# KiCad board CPU2908C3bak.kicad_pcb
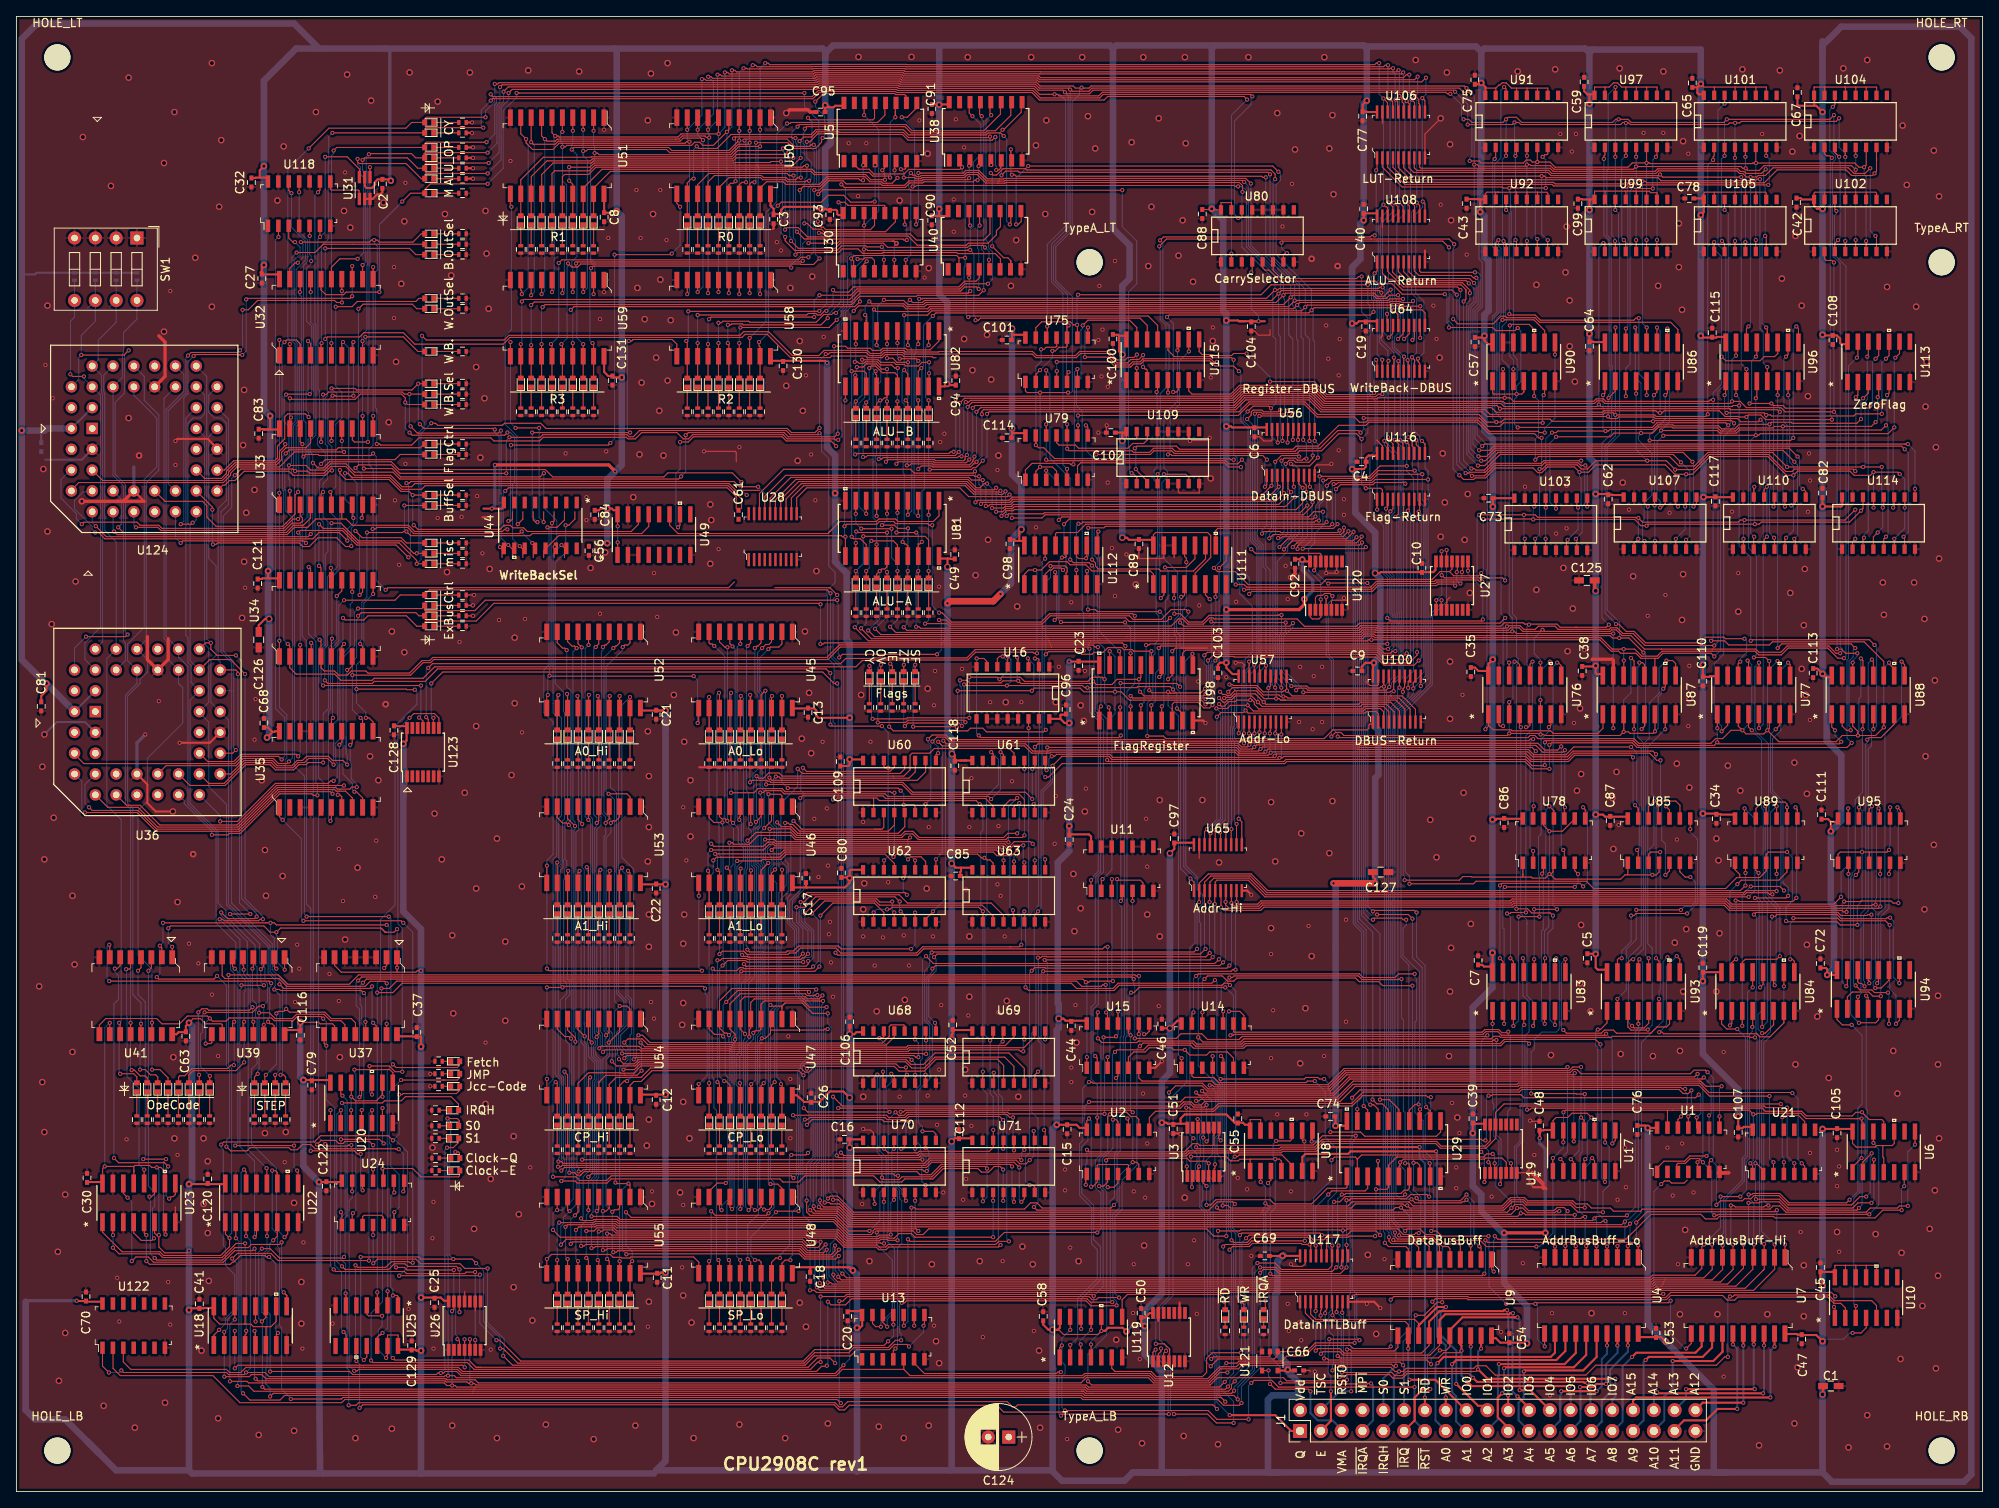
[diagram p0: board, top side]
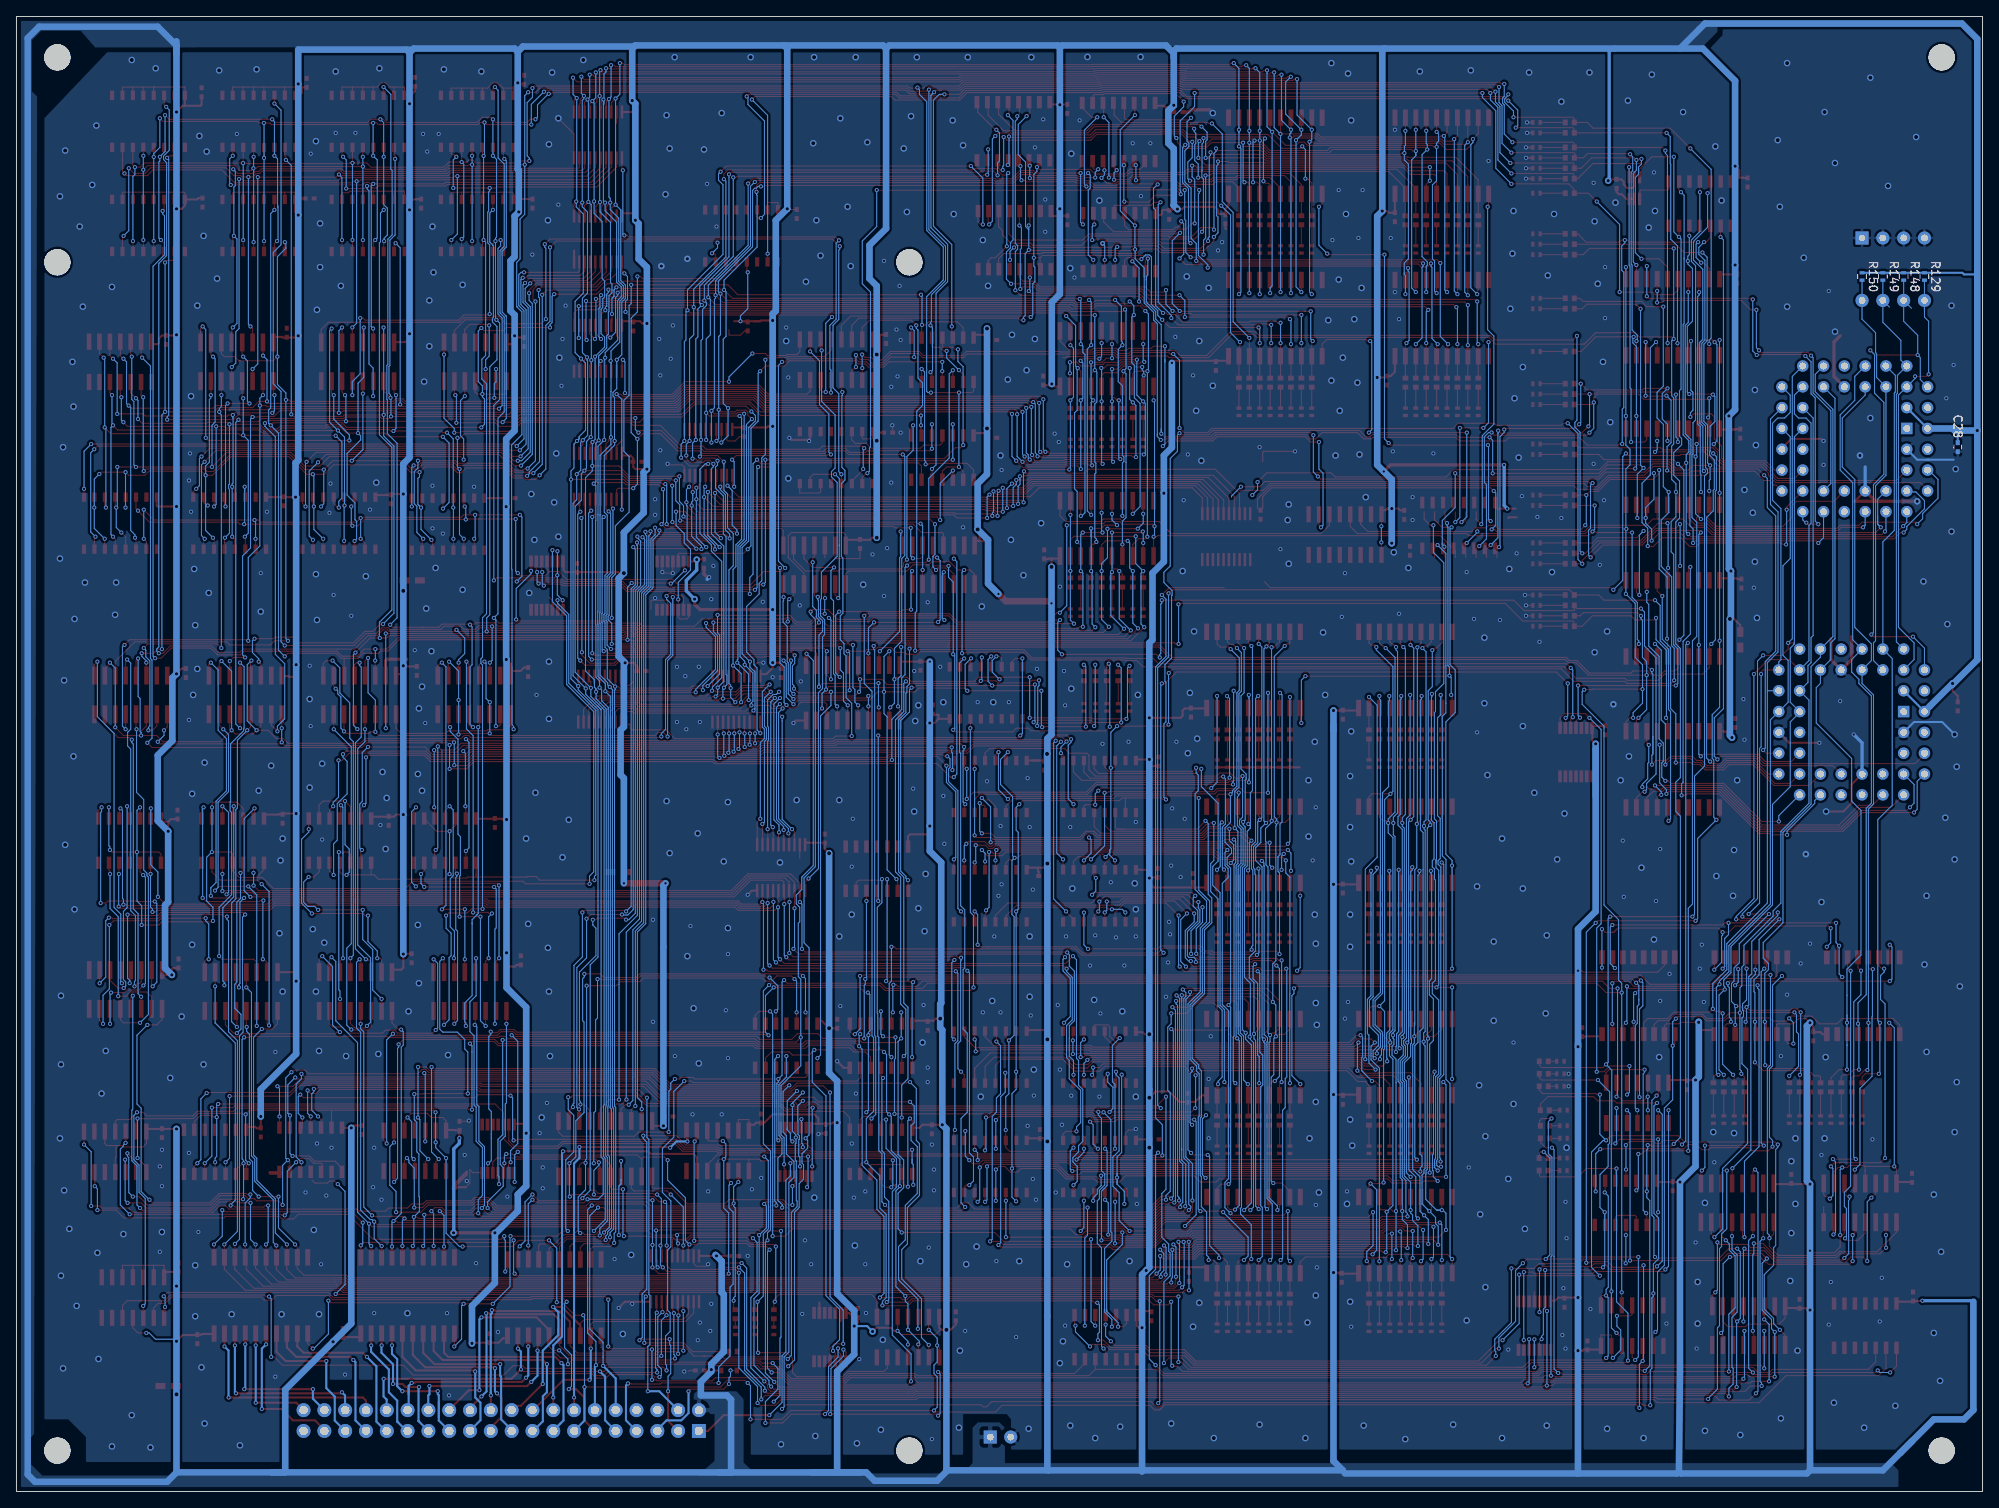
[diagram p1: board, bottom side, seen from below]

Outline 240 x 180 mm; copper layers: Top, Bottom. Coordinates in mm from the lower left corner of the outline.
Outline path: 0,180 240,180 240,0 0,0 0,180

## Placement (name value [footprint] x y rotation side)
C1  10uF  [C_0603_HandSoldering]  221.47 12.88 0 top
C2  0.1uF  [C_0402]  44.67 159.57 270 top
C3  0.1uF  [C_0402]  92.43 155.25 270 top
C4  0.1uF  [C_0402]  164.2 125.66 180 top
C5  0.1uF  [C_0402]  191.76 65.08 270 top
C6  0.1uF  [C_0402]  151.12 129.26 270 top
C7  0.1uF  [C_0402]  178.42 64.82 90 top
C8  0.1uF  [C_0402]  71.74 155.5 270 top
C9  0.1uF  [C_0402]  163.69 100.13 180 top
C10  0.1uF  [C_0402]  171.56 112.7 90 top
C11  0.1uF  [C_0402]  78.22 26.09 270 top
C12  0.1uF  [C_0402]  78.09 47.81 270 top
C13  0.1uF  [C_0402]  96.63 95.05 270 top
C15  0.1uF  [C_0402]  128.26 44.21 270 top
C16  0.1uF  [C_0402]  101.08 42.98 180 top
C17  0.1uF  [C_0402]  96.38 74.86 90 top
C18  0.1uF  [C_0402]  96.89 26.22 270 top
C19  0.1uF  [C_0402]  164.71 142.17 270 top
C20  0.1uF  [C_0402]  101.46 21.39 270 top
C21  0.1uF  [C_0402]  78.09 94.8 270 top
C22  0.1uF  [C_0402]  78.09 73.59 270 top
C23  0.1uF  [C_0402]  129.65 100.77 270 top
C24  0.1uF  [C_0402]  128.51 79.56 270 top
C25  0.1uF  [C_0402]  51.04 23.04 270 top
C26  0.1uF  [C_0402]  97.01 48.06 90 top
C27  0.1uF  [C_0402]  29.96 148.01 270 top
C28  0.1uF  [C_0402]  3.03 127.44 270 bottom
C30  0.1uF  [C_0402]  8.62 38.28 90 top
C32  0.1uF  [C_0402]  28.69 159.74 270 top
C34  0.1uF  [C_0402]  207.5 82.1 270 top
C35  0.1uF  [C_0402]  177.53 100 270 top
C37  0.1uF  [C_0402]  48.88 56.06 90 top
C38  0.1uF  [C_0402]  191.12 100.13 270 top
C39  0.1uF  [C_0402]  177.79 45.52 90 top
C40  0.1uF  [C_0402]  164.45 156.52 90 top
C41  0.1uF  [C_0402]  22.34 22.91 90 top
C42  0.1uF  [C_0402]  217.28 157.28 270 top
C43  0.1uF  [C_0402]  177.01 157.15 270 top
C44  0.1uF  [C_0402]  128.76 56.82 270 top
C45  0.1uF  [C_0402]  220.2 27.36 90 top
C46  0.1uF  [C_0402]  139.81 57.08 90 top
C47  0.1uF  [C_0402]  217.92 18.6 270 top
C48  0.1uF  [C_0402]  185.91 44.63 90 top
C49  0.1uF  [C_0402]  114.54 114.36 90 top
C50  0.1uF  [C_0402]  137.29 21.79 90 top
C51  0.1uF  [C_0402]  141.21 44.25 270 top
C52  0.1uF  [C_0402]  114.29 56.95 90 top
C53  0.1uF  [C_0402]  200.14 19.36 90 top
C54  0.1uF  [C_0402]  182.23 18.72 90 top
C55  0.1uF  [C_0402]  149.08 45.52 90 top
C56  0.1uF  [C_0402]  69.89 114.79 270 top
C57  0.1uF  [C_0402]  178.04 140.26 270 top
C58  0.1uF  [C_0402]  125.34 21.39 90 top
C59  0.1uF  [C_0402]  191.36 172.01 90 top
C61  0.1uF  [C_0402]  88.14 119.19 90 top
C62  0.1uF  [C_0402]  194.3 121.09 270 top
C63  0.1uF  [C_0402]  20.69 55.55 270 top
C64  0.1uF  [C_0402]  192.01 139.75 270 top
C65  0.1uF  [C_0402]  204.57 171.89 90 top
C66  0.1uF  [C_0402]  156.58 14.79 0 top
C67  0.1uF  [C_0402]  217.39 170.74 90 top
C68  0.1uF  [C_0402]  30.21 93.78 90 top
C69  0.1uF  [C_0402]  152.39 28.76 180 top
C70  0.1uF  [C_0402]  8.5 23.8 90 top
C72  0.1uF  [C_0402]  220.2 64.44 90 top
C73  0.1uF  [C_0402]  179.69 121.21 180 top
C74  0.1uF  [C_0402]  160.39 45.78 180 top
C75  0.1uF  [C_0402]  178.02 172.27 90 top
C76  0.1uF  [C_0402]  197.85 44.12 270 top
C77  0.1uF  [C_0402]  164.32 167.82 270 top
C78  0.1uF  [C_0402]  204.2 157.79 180 top
C79  0.1uF  [C_0402]  36.05 49.59 270 top
C80  0.1uF  [C_0402]  100.7 75.49 90 top
C81  0.1uF  [C_0402]  3.03 95.81 270 top
C82  0.1uF  [C_0402]  220.46 121.85 90 top
C83  0.1uF  [C_0402]  29.58 129.09 270 top
C84  0.1uF  [C_0402]  70.6 119.18 270 top
C85  0.1uF  [C_0402]  114.67 75.11 180 top
C86  0.1uF  [C_0402]  181.6 81.59 270 top
C87  0.1uF  [C_0402]  194.55 81.84 270 top
C88  0.1uF  [C_0402]  144.75 155.88 270 top
C89  0.1uF  [C_0402]  137.02 115.62 270 top
C90  0.1uF  [C_0402]  111.73 155.12 270 top
C91  0.1uF  [C_0402]  111.75 168.71 270 top
C92  0.1uF  [C_0402]  156.07 113.21 270 top
C93  0.1uF  [C_0402]  99.29 155.79 270 top
C94  0.1uF  [C_0402]  114.67 135.56 90 top
C95  0.1uF  [C_0402]  98.16 168.33 180 top
C96  0.1uF  [C_0402]  128.13 95.43 90 top
C97  0.1uF  [C_0402]  141.34 79.68 90 top
C98  0.1uF  [C_0402]  121.27 115.62 270 top
C99  0.1uF  [C_0402]  190.6 157.15 270 top
C100  0.1uF  [C_0402]  133.84 140.64 270 top
C101  0.1uF  [C_0402]  120.89 140.52 180 top
C102  0.1uF  [C_0402]  133.59 129.21 180 top
C103  0.1uF  [C_0402]  146.67 99.88 270 top
C104  0.1uF  [C_0402]  150.74 142.17 270 top
C105  0.1uF  [C_0402]  222.24 43.74 270 top
C106  0.1uF  [C_0402]  101.71 57.33 90 top
C107  0.1uF  [C_0402]  210.17 43.83 270 top
C108  0.1uF  [C_0402]  221.73 140.52 270 top
C109  0.1uF  [C_0402]  100.57 89.08 90 top
C110  0.1uF  [C_0402]  205.85 98.86 270 top
C111  0.1uF  [C_0402]  220.33 82.61 90 top
C112  0.1uF  [C_0402]  115.05 43.62 90 top
C113  0.1uF  [C_0402]  219.31 99.88 270 top
C114  0.1uF  [C_0402]  120.89 128.58 180 top
C115  0.1uF  [C_0402]  207 141.41 90 top
C116  0.1uF  [C_0402]  34.66 55.68 270 top
C117  0.1uF  [C_0402]  207.38 120.83 270 top
C118  0.1uF  [C_0402]  114.54 88.57 270 top
C119  0.1uF  [C_0402]  205.85 63.94 90 top
C120  0.1uF  [C_0402]  23.35 38.16 90 top
C121  0.1uF  [C_0402]  29.45 110.8 270 top
C122  0.1uF  [C_0402]  37.83 37.27 270 top
C124  47uF  [CP_Radial_D8.0mm_P2.50mm]  121.13 6.66 180 top
C125  10uF  [C_0603_HandSoldering]  191.69 111.18 180 top
C126  10uF  [C_0603_HandSoldering]  29.58 103.94 270 top
C127  10uF  [C_0603_HandSoldering]  166.53 75.59 0 top
C128  0.1uF  [C_0402]  46.09 92.89 270 top
C129  0.1uF  [C_0402]  48.25 17.84 90 top
C130  0.1uF  [C_0402]  93.58 137.34 270 top
C131  0.1uF  [C_0402]  72.76 135.56 270 top
D1  LED_G  [LED_0402]  50.39 167.06 180 top
D2  LED_G  [LED_0402]  50.39 165.79 180 top
D3  LED_G  [LED_0402]  50.39 164.01 180 top
D4  LED_G  [LED_0402]  50.39 162.74 180 top
D5  LED_G  [LED_0402]  50.39 161.47 180 top
D6  LED_G  [LED_0402]  50.39 160.2 180 top
D7  LED_G  [LED_0402]  50.39 158.42 180 top
D8  LED_G  [LED_0402]  50.39 153.47 180 top
D9  LED_G  [LED_0402]  50.39 152.2 180 top
D10  LED_G  [LED_0402]  50.39 150.93 180 top
D11  LED_G  [LED_0402]  50.39 145.6 180 top
D12  LED_G  [LED_0402]  50.39 144.33 180 top
D13  LED_G  [LED_0402]  50.39 139.12 180 top
D14  LED_G  [LED_0402]  50.39 135.18 180 top
D15  LED_G  [LED_0402]  50.39 133.91 180 top
D16  LED_G  [LED_0402]  50.39 132.64 180 top
D17  LED_G  [LED_0402]  50.39 127.82 180 top
D18  LED_G  [LED_0402]  50.39 126.55 180 top
D19  LED_G  [LED_0402]  50.39 121.59 180 top
D20  LED_G  [LED_0402]  50.39 120.32 180 top
D21  LED_G  [LED_0402]  50.39 115.75 180 top
D22  LED_G  [LED_0402]  50.39 114.48 180 top
D23  LED_G  [LED_0402]  50.39 113.21 180 top
D24  LED_G  [LED_0402]  50.39 109.4 180 top
D25  LED_G  [LED_0402]  50.39 108.13 180 top
D26  LED_G  [LED_0402]  50.39 106.86 180 top
D27  LED_G  [LED_0402]  50.39 105.59 180 top
D28  LED_G  [LED_0402]  104.11 99.5 90 top
D29  LED_G  [LED_0402]  105.51 99.5 90 top
D30  LED_G  [LED_0402]  106.9 99.5 90 top
D31  LED_G  [LED_0402]  108.3 99.5 90 top
D32  LED_G  [LED_0402]  109.7 99.5 90 top
D33  LED_W  [LED_0402]  90.78 155.12 90 top
D34  LED_W  [LED_0402]  89.5 155.12 90 top
D35  LED_W  [LED_0402]  88.23 155.12 90 top
D36  LED_W  [LED_0402]  86.97 155.12 90 top
D37  LED_W  [LED_0402]  85.69 155.12 90 top
D38  LED_W  [LED_0402]  84.42 155.12 90 top
D39  LED_W  [LED_0402]  83.16 155.12 90 top
D40  LED_W  [LED_0402]  81.89 155.12 90 top
D41  LED_W  [LED_0402]  70.45 155.12 90 top
D42  LED_W  [LED_0402]  69.19 155.12 90 top
D43  LED_W  [LED_0402]  67.92 155.12 90 top
D44  LED_W  [LED_0402]  66.64 155.12 90 top
D45  LED_W  [LED_0402]  65.38 155.12 90 top
D46  LED_W  [LED_0402]  64.11 155.12 90 top
D47  LED_W  [LED_0402]  62.83 155.12 90 top
D48  LED_W  [LED_0402]  61.56 155.12 90 top
D49  LED_W  [LED_0402]  90.78 135.31 90 top
D50  LED_W  [LED_0402]  89.5 135.31 90 top
D51  LED_W  [LED_0402]  88.23 135.31 90 top
D52  LED_W  [LED_0402]  86.97 135.31 90 top
D53  LED_W  [LED_0402]  85.69 135.31 90 top
D54  LED_W  [LED_0402]  84.42 135.31 90 top
D55  LED_W  [LED_0402]  83.16 135.31 90 top
D56  LED_W  [LED_0402]  81.89 135.31 90 top
D57  LED_W  [LED_0402]  70.45 135.31 90 top
D58  LED_W  [LED_0402]  69.19 135.31 90 top
D59  LED_W  [LED_0402]  67.92 135.31 90 top
D60  LED_W  [LED_0402]  66.64 135.31 90 top
D61  LED_W  [LED_0402]  65.38 135.31 90 top
D62  LED_W  [LED_0402]  64.11 135.31 90 top
D63  LED_W  [LED_0402]  62.83 135.31 90 top
D64  LED_W  [LED_0402]  61.56 135.31 90 top
D65  LED_W  [LED_0402]  93.44 92.38 90 top
D66  LED_W  [LED_0402]  92.17 92.38 90 top
D67  LED_W  [LED_0402]  90.9 92.38 90 top
D68  LED_W  [LED_0402]  89.63 92.38 90 top
D69  LED_W  [LED_0402]  88.36 92.38 90 top
D70  LED_W  [LED_0402]  87.09 92.38 90 top
D71  LED_W  [LED_0402]  85.82 92.38 90 top
D72  LED_W  [LED_0402]  84.55 92.38 90 top
D73  LED_W  [LED_0402]  74.9 92.38 90 top
D74  LED_W  [LED_0402]  73.63 92.38 90 top
D75  LED_W  [LED_0402]  72.36 92.38 90 top
D76  LED_W  [LED_0402]  71.09 92.38 90 top
D77  LED_W  [LED_0402]  69.82 92.38 90 top
D78  LED_W  [LED_0402]  68.55 92.38 90 top
D79  LED_W  [LED_0402]  67.28 92.38 90 top
D80  LED_W  [LED_0402]  66.01 92.38 90 top
D81  LED_W  [LED_0402]  93.44 71.05 90 top
D82  LED_W  [LED_0402]  92.17 71.05 90 top
D83  LED_W  [LED_0402]  90.9 71.05 90 top
D84  LED_W  [LED_0402]  89.63 71.05 90 top
D85  LED_W  [LED_0402]  88.36 71.05 90 top
D86  LED_W  [LED_0402]  87.09 71.05 90 top
D87  LED_W  [LED_0402]  85.82 71.05 90 top
D88  LED_W  [LED_0402]  84.55 71.05 90 top
D89  LED_W  [LED_0402]  74.9 71.05 90 top
D90  LED_W  [LED_0402]  73.63 71.05 90 top
D91  LED_W  [LED_0402]  72.36 71.05 90 top
D92  LED_W  [LED_0402]  71.09 71.05 90 top
D93  LED_W  [LED_0402]  69.82 71.05 90 top
D94  LED_W  [LED_0402]  68.55 71.05 90 top
D95  LED_W  [LED_0402]  67.28 71.05 90 top
D96  LED_W  [LED_0402]  66.01 71.05 90 top
D97  LED_W  [LED_0402]  93.44 45.27 90 top
D98  LED_W  [LED_0402]  92.17 45.27 90 top
D99  LED_W  [LED_0402]  90.9 45.27 90 top
D100  LED_W  [LED_0402]  89.63 45.27 90 top
D101  LED_W  [LED_0402]  88.36 45.27 90 top
D102  LED_W  [LED_0402]  87.09 45.27 90 top
D103  LED_W  [LED_0402]  85.82 45.27 90 top
D104  LED_W  [LED_0402]  84.55 45.27 90 top
D105  LED_W  [LED_0402]  74.9 45.27 90 top
D106  LED_W  [LED_0402]  73.63 45.27 90 top
D107  LED_W  [LED_0402]  72.36 45.27 90 top
D108  LED_W  [LED_0402]  71.09 45.27 90 top
D109  LED_W  [LED_0402]  69.82 45.27 90 top
D110  LED_W  [LED_0402]  68.55 45.27 90 top
D111  LED_W  [LED_0402]  67.28 45.27 90 top
D112  LED_W  [LED_0402]  66.01 45.27 90 top
D113  LED_W  [LED_0402]  93.44 23.55 90 top
D114  LED_W  [LED_0402]  92.17 23.55 90 top
D115  LED_W  [LED_0402]  90.9 23.55 90 top
D116  LED_W  [LED_0402]  89.63 23.55 90 top
D117  LED_W  [LED_0402]  88.36 23.55 90 top
D118  LED_W  [LED_0402]  87.09 23.55 90 top
D119  LED_W  [LED_0402]  85.82 23.55 90 top
D120  LED_W  [LED_0402]  84.55 23.55 90 top
D121  LED_W  [LED_0402]  74.9 23.55 90 top
D122  LED_W  [LED_0402]  73.63 23.55 90 top
D123  LED_W  [LED_0402]  72.36 23.55 90 top
D124  LED_W  [LED_0402]  71.09 23.55 90 top
D125  LED_W  [LED_0402]  69.82 23.55 90 top
D126  LED_W  [LED_0402]  68.55 23.55 90 top
D127  LED_W  [LED_0402]  67.28 23.55 90 top
D128  LED_W  [LED_0402]  66.01 23.55 90 top
D129  LED_W  [LED_0402]  111.35 110.93 90 top
D130  LED_W  [LED_0402]  110.08 110.93 90 top
D131  LED_W  [LED_0402]  108.81 110.93 90 top
D132  LED_W  [LED_0402]  107.54 110.93 90 top
D133  LED_W  [LED_0402]  106.27 110.93 90 top
D134  LED_W  [LED_0402]  105 110.93 90 top
D135  LED_W  [LED_0402]  103.73 110.93 90 top
D136  LED_W  [LED_0402]  102.46 110.93 90 top
D137  LED_W  [LED_0402]  111.35 131.63 90 top
D138  LED_W  [LED_0402]  110.08 131.63 90 top
D139  LED_W  [LED_0402]  108.81 131.63 90 top
D140  LED_W  [LED_0402]  107.54 131.63 90 top
D141  LED_W  [LED_0402]  106.27 131.63 90 top
D142  LED_W  [LED_0402]  105 131.63 90 top
D143  LED_W  [LED_0402]  103.73 131.63 90 top
D144  LED_W  [LED_0402]  102.46 131.63 90 top
D145  LED_G  [LED_0402]  152.24 21.65 90 top
D146  LED_G  [LED_0402]  149.83 21.65 90 top
D147  LED_G  [LED_0402]  147.54 21.65 90 top
D148  LED_G  [LED_0402]  32.86 49.33 90 top
D149  LED_G  [LED_0402]  31.59 49.33 90 top
D150  LED_G  [LED_0402]  30.32 49.33 90 top
D151  LED_G  [LED_0402]  29.05 49.33 90 top
D152  LED_G  [LED_0402]  23.59 49.33 90 top
D153  LED_G  [LED_0402]  22.32 49.33 90 top
D154  LED_G  [LED_0402]  21.05 49.33 90 top
D155  LED_G  [LED_0402]  19.78 49.33 90 top
D156  LED_G  [LED_0402]  18.51 49.33 90 top
D157  LED_G  [LED_0402]  17.24 49.33 90 top
D158  LED_G  [LED_0402]  15.97 49.33 90 top
D159  LED_G  [LED_0402]  14.7 49.33 90 top
D160  LED_G  [LED_0402]  53.58 40.69 0 top
D161  LED_G  [LED_0402]  53.58 39.17 0 top
D182  LED_W  [LED_0402]  53.56 50.98 0 top
D183  LED_W  [LED_0402]  53.56 49.46 0 top
D184  LED_W  [LED_0402]  53.44 46.54 0 top
D185  LED_W  [LED_0402]  53.56 52.51 0 top
HOLE_LB  -  [MountingHole_3.2mm_M3]  5 5 0 top
HOLE_LT  -  [MountingHole_3.2mm_M3]  5 175 0 top
HOLE_RB  -  [MountingHole_3.2mm_M3]  235 5 0 top
HOLE_RT  -  [MountingHole_3.2mm_M3]  235 175 0 top
J1  Conn_02x20_Odd_Even  [Pin_Header_Straight_2x20_Pitch2.54mm]  156.69 7.4 90 top
R1  47K  [R_0402]  54.45 167.06 180 top
R2  47K  [R_0402]  54.45 165.79 180 top
R3  47K  [R_0402]  54.45 164.01 180 top
R4  47K  [R_0402]  54.45 162.74 180 top
R5  47K  [R_0402]  54.45 161.47 180 top
R6  47K  [R_0402]  54.45 160.2 180 top
R7  47K  [R_0402]  54.45 158.42 180 top
R8  47K  [R_0402]  54.45 153.47 180 top
R9  47K  [R_0402]  54.45 152.2 180 top
R10  47K  [R_0402]  54.45 150.93 180 top
R11  47K  [R_0402]  54.45 145.6 180 top
R12  47K  [R_0402]  54.45 144.33 180 top
R13  47K  [R_0402]  54.45 139.12 180 top
R14  47K  [R_0402]  54.45 135.18 180 top
R15  47K  [R_0402]  54.45 133.91 180 top
R16  47K  [R_0402]  54.45 132.64 180 top
R17  47K  [R_0402]  54.45 127.82 180 top
R18  47K  [R_0402]  54.45 126.55 180 top
R19  47K  [R_0402]  54.45 121.59 180 top
R20  47K  [R_0402]  54.45 120.32 180 top
R21  47K  [R_0402]  54.45 115.75 180 top
R22  47K  [R_0402]  54.45 114.48 180 top
R23  47K  [R_0402]  54.45 113.21 180 top
R24  47K  [R_0402]  54.45 109.4 180 top
R25  47K  [R_0402]  54.45 108.13 180 top
R26  47K  [R_0402]  54.45 106.86 180 top
R27  47K  [R_0402]  54.45 105.59 180 top
R28  47K  [R_0402]  104.11 95.69 90 top
R29  47K  [R_0402]  105.51 95.69 90 top
R30  47K  [R_0402]  106.9 95.69 90 top
R31  47K  [R_0402]  108.3 95.69 90 top
R32  47K  [R_0402]  109.7 95.69 90 top
R33  47K  [R_0402]  90.78 151.57 90 top
R34  47K  [R_0402]  89.5 151.57 90 top
R35  47K  [R_0402]  88.23 151.57 90 top
R36  47K  [R_0402]  86.97 151.57 90 top
R37  47K  [R_0402]  85.69 151.57 90 top
R38  47K  [R_0402]  84.42 151.57 90 top
R39  47K  [R_0402]  83.16 151.57 90 top
R40  47K  [R_0402]  81.89 151.57 90 top
R41  47K  [R_0402]  70.45 151.57 90 top
R42  47K  [R_0402]  69.19 151.57 90 top
R43  47K  [R_0402]  67.92 151.57 90 top
R44  47K  [R_0402]  66.64 151.57 90 top
R45  47K  [R_0402]  65.38 151.57 90 top
R46  47K  [R_0402]  64.11 151.57 90 top
R47  47K  [R_0402]  62.83 151.57 90 top
R48  47K  [R_0402]  61.56 151.57 90 top
R49  47K  [R_0402]  90.78 131.75 90 top
R50  47K  [R_0402]  89.5 131.75 90 top
R51  47K  [R_0402]  88.23 131.75 90 top
R52  47K  [R_0402]  86.97 131.75 90 top
R53  47K  [R_0402]  85.69 131.75 90 top
R54  47K  [R_0402]  84.42 131.75 90 top
R55  47K  [R_0402]  83.16 131.75 90 top
R56  47K  [R_0402]  81.89 131.75 90 top
R57  47K  [R_0402]  70.45 131.75 90 top
R58  47K  [R_0402]  69.19 131.75 90 top
R59  47K  [R_0402]  67.92 131.75 90 top
R60  47K  [R_0402]  66.64 131.75 90 top
R61  47K  [R_0402]  65.38 131.75 90 top
R62  47K  [R_0402]  64.11 131.75 90 top
R63  47K  [R_0402]  62.83 131.75 90 top
R64  47K  [R_0402]  61.56 131.75 90 top
R65  47K  [R_0402]  93.44 88.83 90 top
R66  47K  [R_0402]  92.17 88.83 90 top
R67  47K  [R_0402]  90.9 88.83 90 top
R68  47K  [R_0402]  89.63 88.83 90 top
R69  47K  [R_0402]  88.36 88.83 90 top
R70  47K  [R_0402]  87.09 88.83 90 top
R71  47K  [R_0402]  85.82 88.83 90 top
R72  47K  [R_0402]  84.55 88.83 90 top
R73  47K  [R_0402]  74.9 88.83 90 top
R74  47K  [R_0402]  73.63 88.83 90 top
R75  47K  [R_0402]  72.36 88.83 90 top
R76  47K  [R_0402]  71.09 88.83 90 top
R77  47K  [R_0402]  69.82 88.83 90 top
R78  47K  [R_0402]  68.55 88.83 90 top
R79  47K  [R_0402]  67.28 88.83 90 top
R80  47K  [R_0402]  66.01 88.83 90 top
R81  47K  [R_0402]  93.44 67.49 90 top
R82  47K  [R_0402]  92.17 67.49 90 top
R83  47K  [R_0402]  90.9 67.49 90 top
R84  47K  [R_0402]  89.63 67.49 90 top
R85  47K  [R_0402]  88.36 67.49 90 top
R86  47K  [R_0402]  87.09 67.49 90 top
R87  47K  [R_0402]  85.82 67.49 90 top
R88  47K  [R_0402]  84.55 67.49 90 top
R89  47K  [R_0402]  74.9 67.49 90 top
R90  47K  [R_0402]  73.63 67.49 90 top
R91  47K  [R_0402]  72.36 67.49 90 top
R92  47K  [R_0402]  71.09 67.49 90 top
R93  47K  [R_0402]  69.82 67.49 90 top
R94  47K  [R_0402]  68.55 67.49 90 top
R95  47K  [R_0402]  67.28 67.49 90 top
R96  47K  [R_0402]  66.01 67.49 90 top
R97  47K  [R_0402]  93.44 41.71 90 top
R98  47K  [R_0402]  92.17 41.71 90 top
R99  47K  [R_0402]  90.9 41.71 90 top
R100  47K  [R_0402]  89.63 41.71 90 top
R101  47K  [R_0402]  88.36 41.71 90 top
R102  47K  [R_0402]  87.09 41.71 90 top
R103  47K  [R_0402]  85.82 41.71 90 top
R104  47K  [R_0402]  84.55 41.71 90 top
R105  47K  [R_0402]  74.9 41.71 90 top
R106  47K  [R_0402]  73.63 41.71 90 top
R107  47K  [R_0402]  72.36 41.71 90 top
R108  47K  [R_0402]  71.09 41.71 90 top
R109  47K  [R_0402]  69.82 41.71 90 top
R110  47K  [R_0402]  68.55 41.71 90 top
R111  47K  [R_0402]  67.28 41.71 90 top
R112  47K  [R_0402]  66.01 41.71 90 top
R113  47K  [R_0402]  93.44 19.99 90 top
R114  47K  [R_0402]  92.17 19.99 90 top
R115  47K  [R_0402]  90.9 19.99 90 top
R116  47K  [R_0402]  89.63 19.99 90 top
R117  47K  [R_0402]  88.36 19.99 90 top
R118  47K  [R_0402]  87.09 19.99 90 top
R119  47K  [R_0402]  85.82 19.99 90 top
R120  47K  [R_0402]  84.55 19.99 90 top
R121  47K  [R_0402]  74.9 19.99 90 top
R122  47K  [R_0402]  73.63 19.99 90 top
R123  47K  [R_0402]  72.36 19.99 90 top
R124  47K  [R_0402]  71.09 19.99 90 top
R125  47K  [R_0402]  69.82 19.99 90 top
R126  47K  [R_0402]  68.55 19.99 90 top
R127  47K  [R_0402]  67.28 19.99 90 top
R128  47K  [R_0402]  66.01 19.99 90 top
R129  10K  [R_0402]  7.1 148.26 270 bottom
R130  47K  [R_0402]  111.35 107.24 90 top
R131  47K  [R_0402]  110.08 107.24 90 top
R132  47K  [R_0402]  108.81 107.24 90 top
R133  47K  [R_0402]  107.54 107.24 90 top
R134  47K  [R_0402]  106.27 107.24 90 top
R135  47K  [R_0402]  105 107.24 90 top
R136  47K  [R_0402]  103.73 107.24 90 top
R137  47K  [R_0402]  102.46 107.24 90 top
R138  47K  [R_0402]  111.35 127.94 90 top
R139  47K  [R_0402]  110.08 127.94 90 top
R140  47K  [R_0402]  108.81 127.94 90 top
R141  47K  [R_0402]  107.54 127.94 90 top
R142  47K  [R_0402]  106.27 127.94 90 top
R143  47K  [R_0402]  105 127.94 90 top
R144  47K  [R_0402]  103.73 127.94 90 top
R145  47K  [R_0402]  102.46 127.94 90 top
R146  47K  [R_0402]  51.17 40.69 0 top
R147  47K  [R_0402]  51.17 39.17 0 top
R148  10K  [R_0402]  9.64 148.26 270 bottom
R149  10K  [R_0402]  12.18 148.26 270 bottom
R150  10K  [R_0402]  14.72 148.26 270 bottom
R170  47K  [R_0402]  51.15 44.63 0 top
R171  47K  [R_0402]  51.15 43.11 0 top
R172  47K  [R_0402]  152.24 19.61 90 top
R173  47K  [R_0402]  149.83 19.61 90 top
R174  47K  [R_0402]  147.54 19.61 90 top